# Altium PCB H19R1.PcbDoc
Units mm, origin at the board's own origin, x right, y up, seen from the top; angles counter-clockwise.
Board outline 60 x 34.64 mm, 4 copper layers (Top Layer, GND, GND2, Bottom Layer), stack 0.603 mm thick; 80 components, 78 nets, 214 pads, 66 vias.
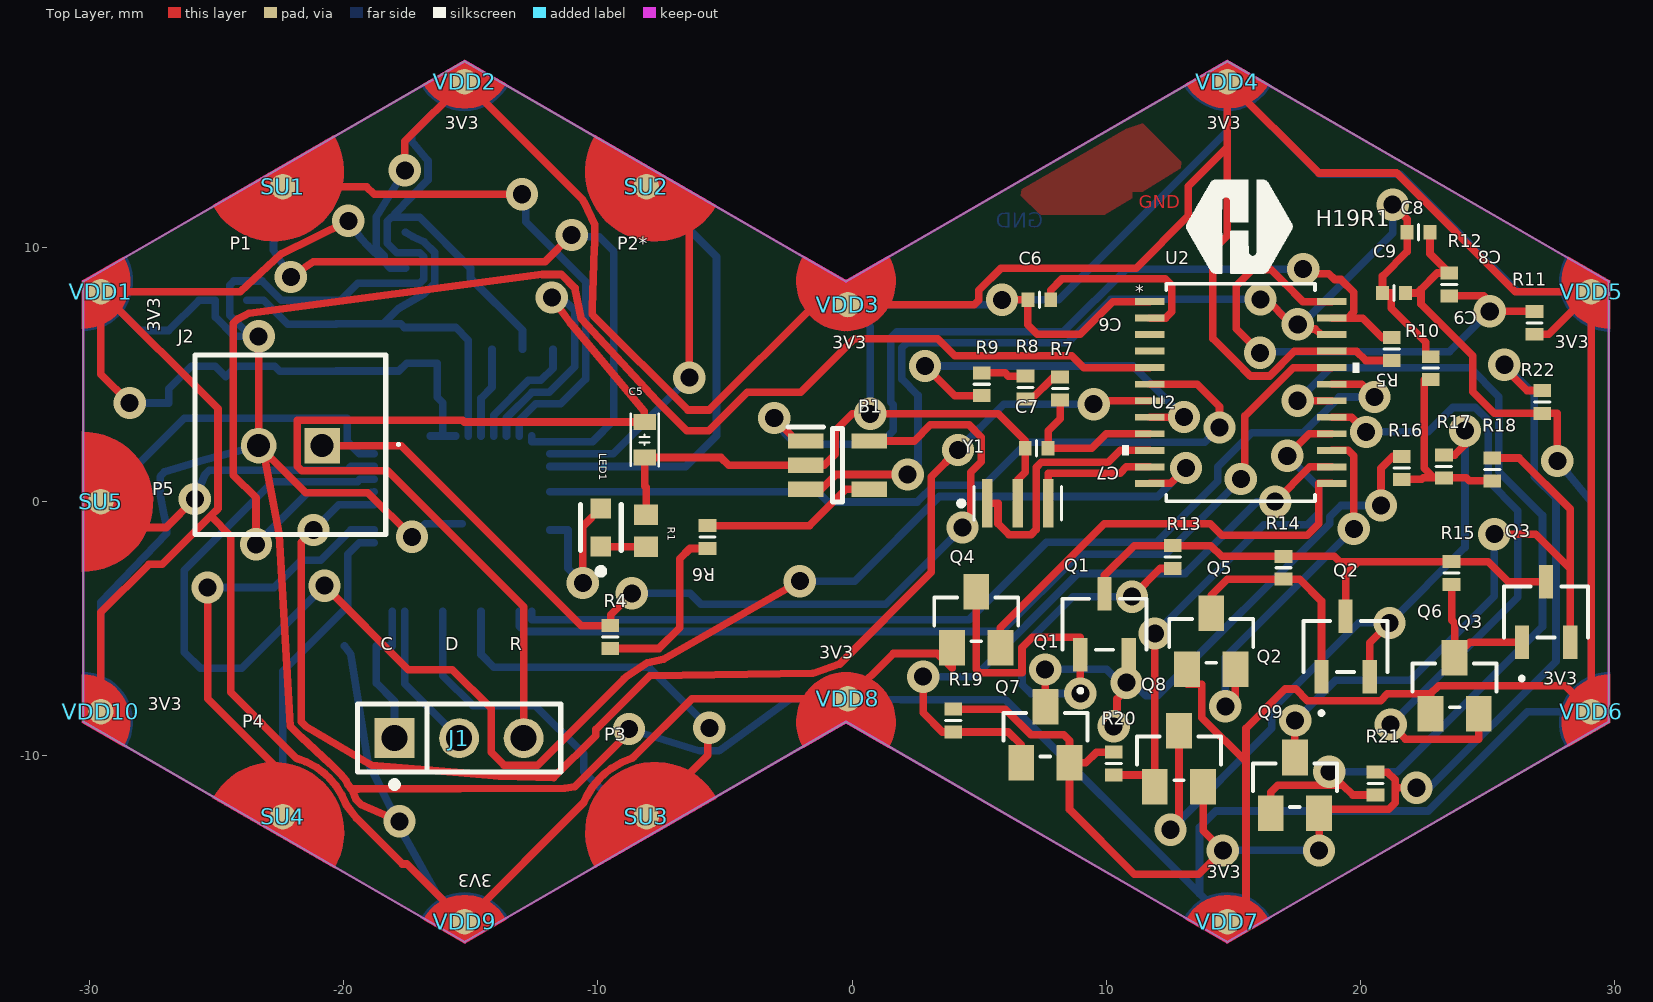
[diagram p0: Top Layer view]
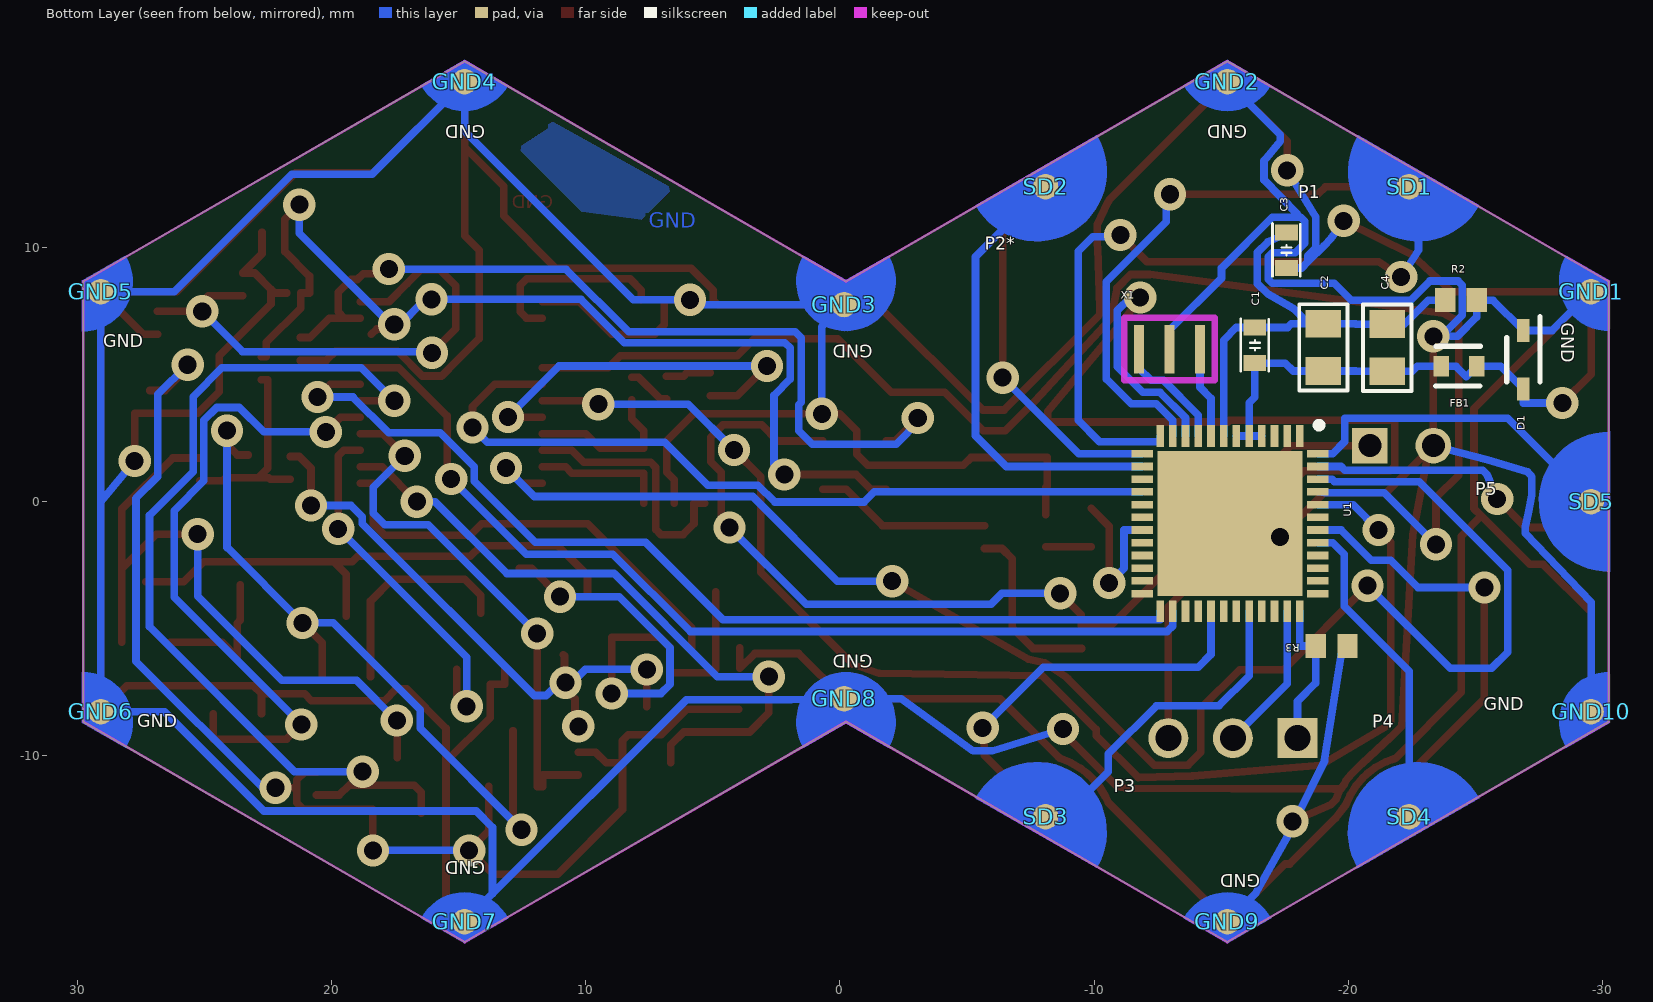
[diagram p1: Bottom Layer view, seen from below]
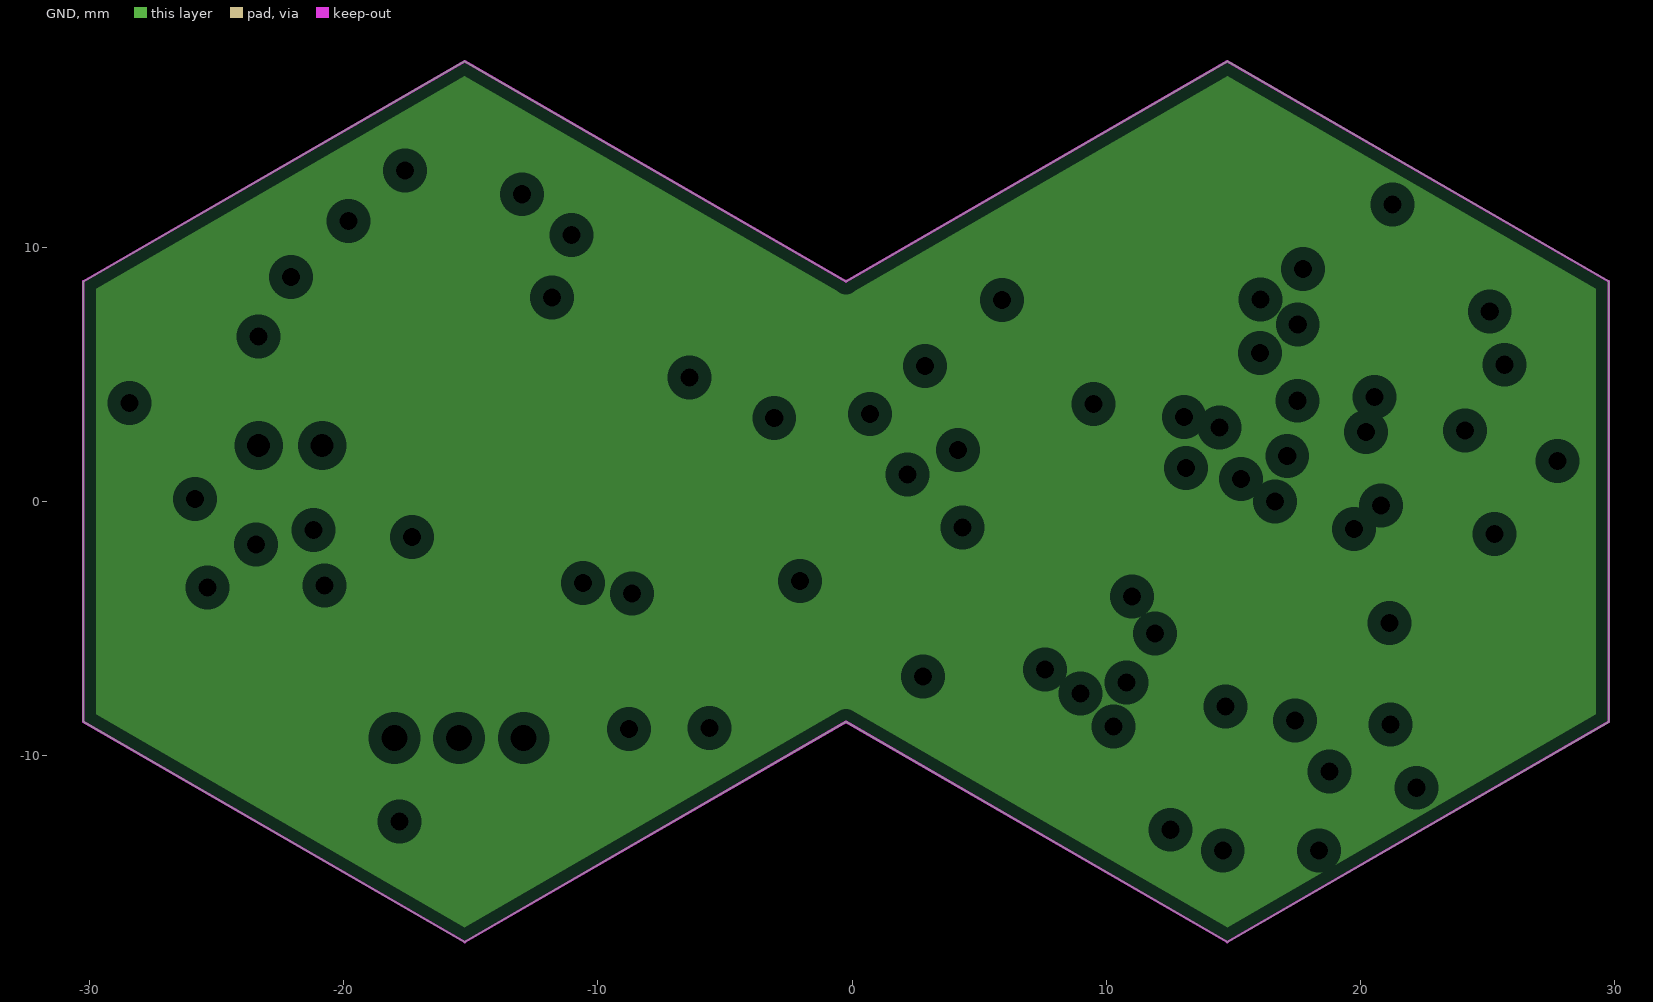
[diagram p2: GND, clearances drawn from the general rule]
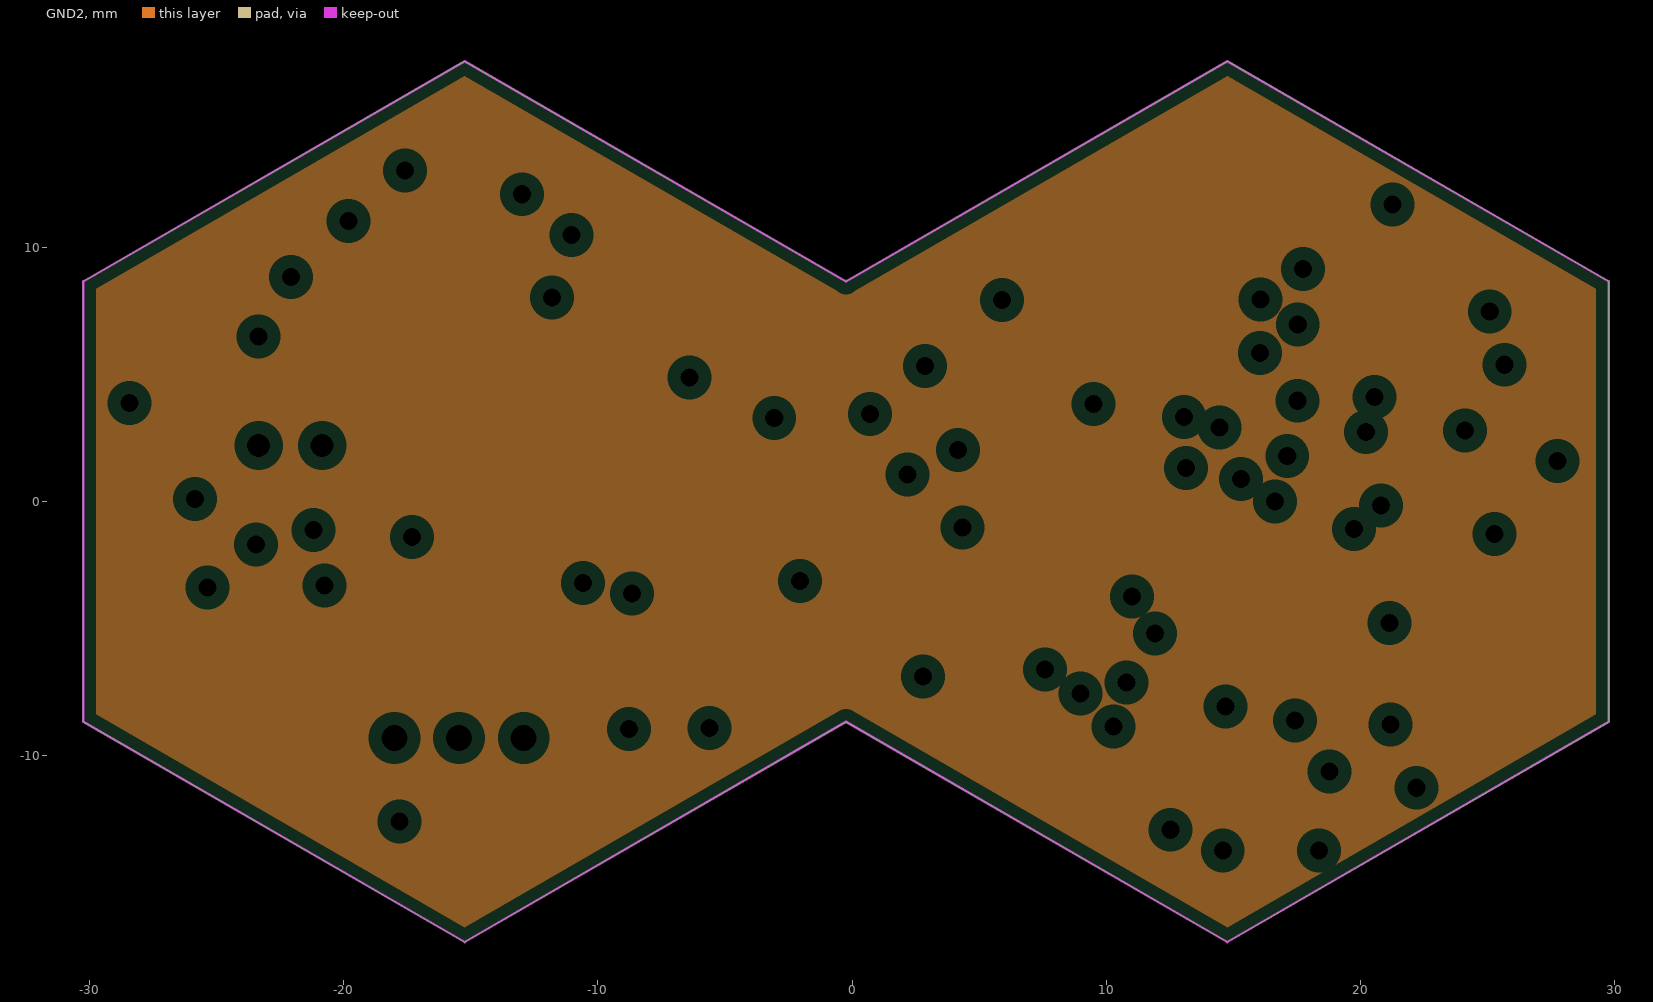
[diagram p3: GND2, clearances drawn from the general rule]
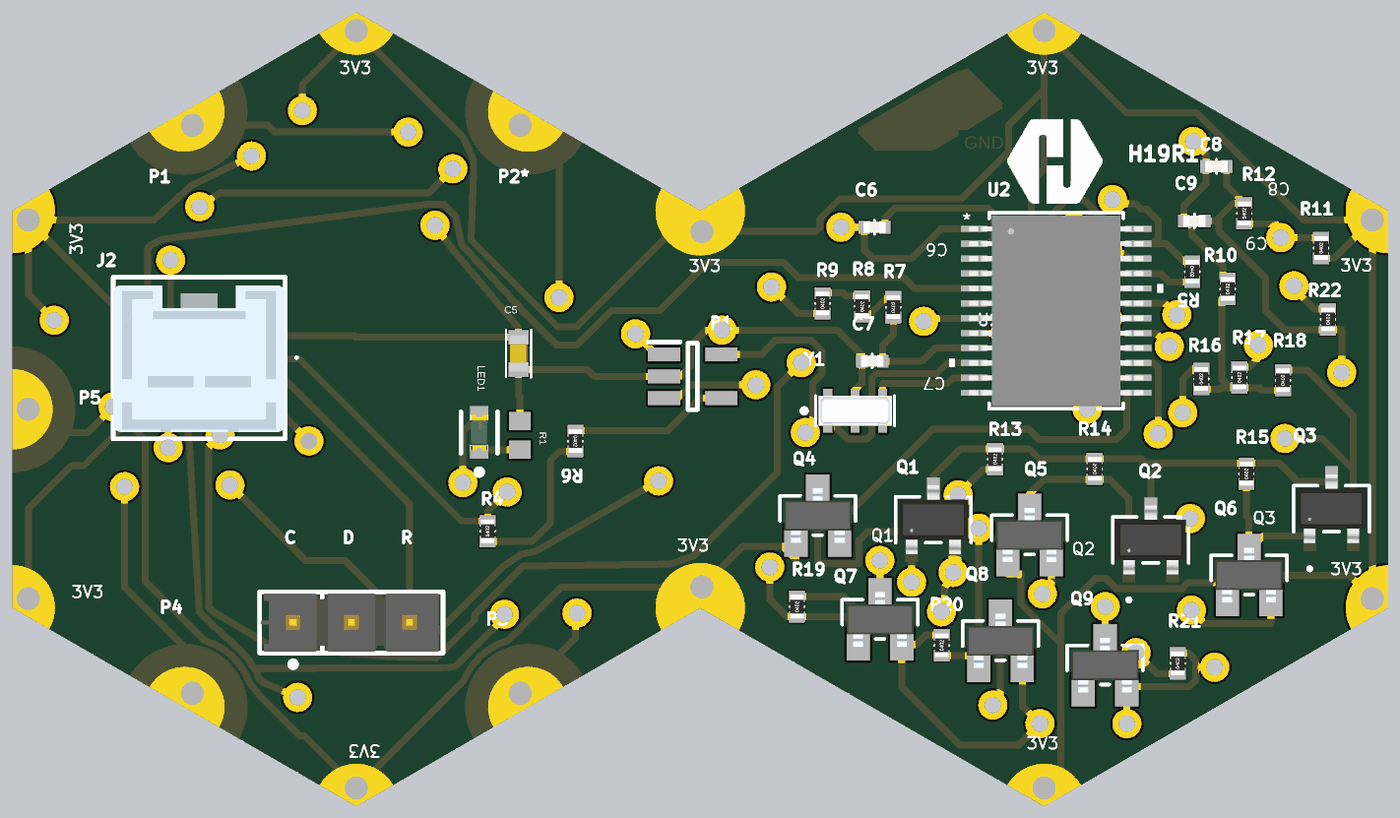
[diagram p4: 3D render of the assembled board from above, using the file's embedded part models]
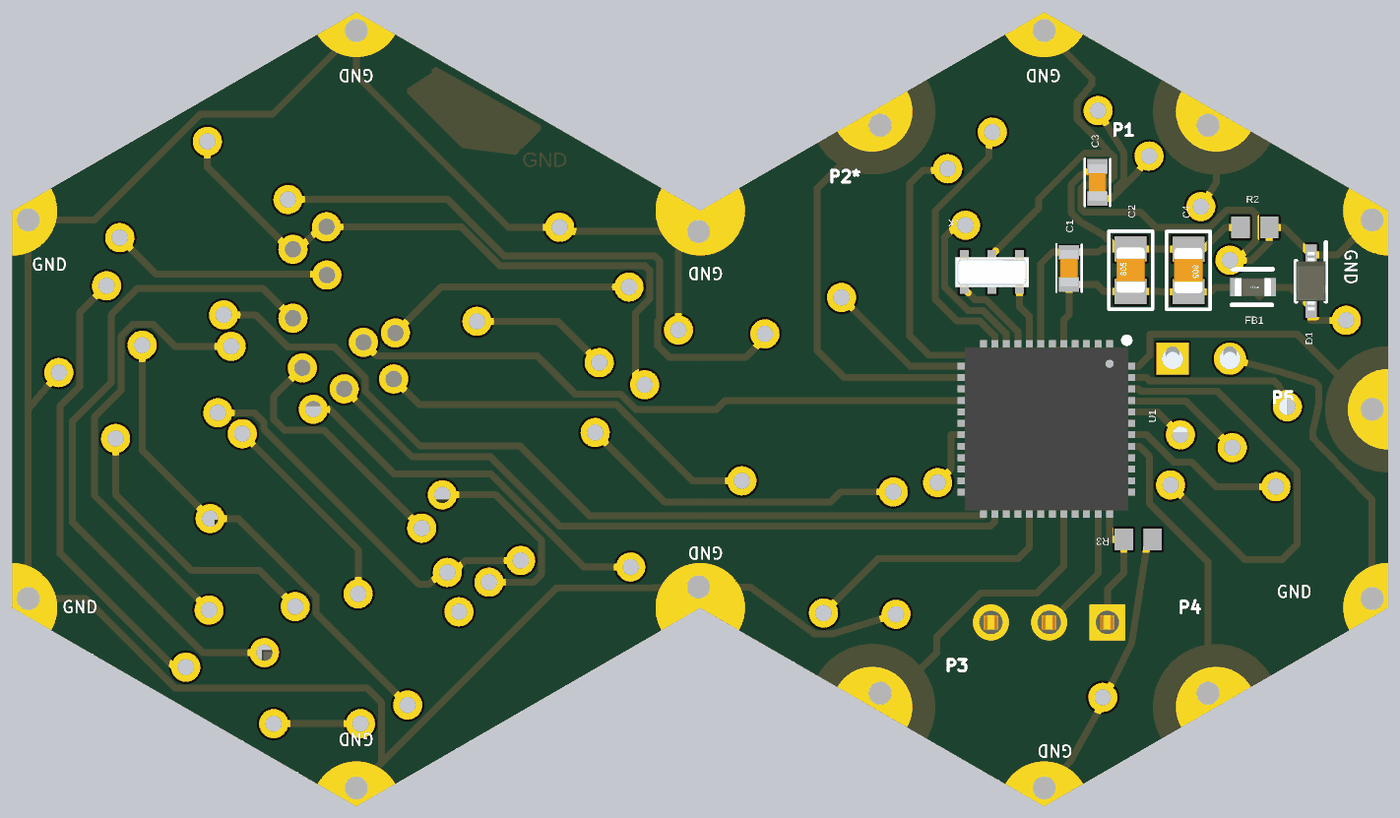
[diagram p5: 3D render of the assembled board from below, using the file's embedded part models]

## Layer stack, top to bottom
Top Solder: solder mask 0.0102, Solder Resist, Dk 3.5
Top Layer: signal copper 0.0356
Dielectric 2: prepreg 0.0711, PP-006, Dk 4.1
GND: plane copper 0.035
Dielectric 1: dielectric 0.32, FR-4, Dk 4.8
GND2: plane copper 0.035
Dielectric 3: prepreg 0.0711, PP-006, Dk 4.1
Bottom Layer: signal copper 0.0356
Bottom Solder: solder mask 0.0102, Solder Resist, Dk 3.5

## Board outline
-30.24,-8.66 -15.24,-17.32 -0.24,-8.66 14.76,-17.32 29.76,-8.66 29.76,8.66 14.76,17.32 -0.24,8.66 -15.24,17.32 -30.24,8.66

## Design rules (kind name [scope] priority, off if disabled: settings)
Clearance [All] p1: gap=0.125 ignorepadtopadclearanceinfootprint=FALSE
ComponentClearance [All] p1: gap=0.125 collisioncheckmode=3 verticalgap=0.125 showdistances=FALSE
HoleToHoleClearance [All] p1: gap=0.125 allowstackedmicrovias=TRUE
MinimumSolderMaskSliver [All] p1: minsoldermaskwidth=0.1
PlaneClearance [All] p1: clearance=0.508
PlaneConnect [All] p1: planeconnectstyle=Relief reliefexpansion=0.508 reliefentries=4 reliefconductorwidth=0.254 reliefairgap=0.254
PolygonConnect [All] p1: connectstyle=Relief reliefconductorwidth=0.254 reliefentries=4 polygonreliefangle="90 Angle" airgapwidth=0.254
RoutingVias [All] p1: holewidth=0.711 width=1.27 viastyle="Through Hole" minholewidth=0.711 minwidth=1.27 maxholewidth=0.711 maxwidth=1.27
SilkToSolderMaskClearance [IsPad] p1: minsilkscreentomaskgap=0.125 clearancetoexposedcopper=TRUE
SolderMaskExpansion [All] p1: expansion=0.102 istentingtop=FALSE
SupplyNets "Schematic Supply Nets_3" [InNet('GND')] p1: voltage=0.000
SupplyNets "Schematic Supply Nets_1" [InNet('VSSA')] p2: voltage=0.000
SupplyNets "Schematic Supply Nets" [InNet('VDD')] p3: voltage=0.000
Width [All] p1: maxlimit=1 minlimit=0.2 preferedwidth=0.3 minimp=50.000000 maximp=50.000000 favimp=50.000000
24 further rules are at their usual default settings.

## Classes and differential pairs
component class "H19R1_Frontend 2": Q1 Q2 Q3 Q4 Q5 Q6 Q7 Q8 Q9 R13 R14 R15 R16 R17 R18 R19 R20 R21 R22
component class "H19R1_Frontend 1": B1 C6 C7 C8 C9 J2 R4 R5 R6 R7 R8 R9 R10 R11 R12 U2 Y1
component class H19R1_Backend: C1 C2 C3 C4 C5 D1 FB1 GND1 GND2 GND3 GND4 GND5 GND6 GND7 GND8 GND9 GND10 J1 LED1 R1 R2 R3 SD1 SD2 SD3 SD4 SD5 SU1 SU2 SU3 SU4 SU5 U1 VDD1 VDD2 VDD3 VDD4 VDD5 VDD6 VDD7 VDD8 VDD9 VDD10 X1

## Components (designator, comment, footprint, x,y, rotation, side; value= is the part's Value field where it differs from the comment)
B1 "MCP6561T-E_OT" SOT95P270X145-5N -0.57,1.434 r0 top
C1 "CL10B104KA8NNNC" C0603 -16.324,6.151 r270 bottom value=100nF
C2 "CL21X475KAQNNNE" C0805 -19.015,6.067 r90 bottom value=4.7µF
C3 "CL10B104KA8NNNC" C0603 -17.565,9.891 r270 bottom value=100nF
C4 "CC0805KKX7R7BB105" C0805 -21.53,6.056 r270 bottom value=1µF
C5 "CL10B104KA8NNNC" C0603 -8.163,2.436 r90 top value=100nF
C6 "470nF" C0402 7.363,7.937 r0 top
C7 "CL05A105KA5NQNC" C0402 7.26,2.103 r0 top value=1uF
C8 "CC0402JRNPO9BN100" C0402 22.279,10.595 r0 top value=10pF
C9 "CC0402JRNPO9BN100" C0402 21.313,8.209 r0 top value=10pF
D1 "CDSOD323-T03SC" SOD2513X114N -26.879,5.585 r270 bottom value=200pF
FB1 "MMZ1608Y300B" FP-MMZ1608-0_8-MFG -24.35,5.324 r0 bottom
GND1 "HEXABIT_UART_PORT" HEXABIT_POWER_PORT_D -29.547,8.26 r90 top
GND2 "HEXABIT_UART_PORT" HEXABIT_POWER_PORT_D -15.24,16.52 r30 top
GND3 "HEXABIT_UART_PORT" HEXABIT_POWER_PORT_D_300R -0.168,7.752 r90 top
GND4 "HEXABIT_UART_PORT" HEXABIT_POWER_PORT_D 14.76,16.52 r30 top
GND5 "HEXABIT_UART_PORT" HEXABIT_POWER_PORT_D 29.07,8.26 r330 top
GND6 "HEXABIT_UART_PORT" HEXABIT_POWER_PORT_D 29.07,-8.26 r270 top
GND7 "HEXABIT_UART_PORT" HEXABIT_POWER_PORT_D 14.76,-16.52 r210 top
GND8 "HEXABIT_UART_PORT" HEXABIT_POWER_PORT_D_300L -0.168,-7.752 r90 top
GND9 "HEXABIT_UART_PORT" HEXABIT_POWER_PORT_D -15.24,-16.52 r210 top
GND10 "HEXABIT_UART_PORT" HEXABIT_POWER_PORT_D -29.547,-8.26 r150 top
J1 "TSW-103-14-G-S" FP-TSW-103-14-G-S-MFG -15.458,-9.3 r0 top
J2 "1744439-2" 17444392 -20.842,2.205 r0 top
LED1 "VLMS1300-GS08" FP-6_541-5092_01-4-MFG -9.881,-1.016 r90 top
Q1 "2STR2160" SOT23_3P04X1P75X1P9_STM 9.927,-4.823 r0 top
Q2 "2STR2160" SOT23_3P04X1P75X1P9_STM 19.41,-5.699 r0 top
Q3 "2STR2160" SOT23_3P04X1P75X1P9_STM 27.292,-4.34 r0 top
Q4 "MMBTA05LT1G" SOT-23 4.884,-4.638 r0 top
Q5 "MMBTA05LT1G" SOT-23 14.125,-5.484 r0 top
Q6 "MMBTA05LT1G" SOT-23 23.698,-7.236 r0 top
Q7 "MMBTA05LT1G" SOT-23 7.602,-9.168 r0 top
Q8 "MMBTA05LT1G" SOT-23 12.857,-10.105 r0 top
Q9 "MMBTA05LT1G" SOT-23 17.417,-11.162 r0 top
R1 "Manufacturer Part Number" R0603 -8.103,-1.143 r270 top value=270Ω
R2 "Manufacturer Part Number" R0603 -24.429,7.928 r0 bottom
R3 "Manufacturer Part Number" R0603 -19.341,-5.678 r180 bottom value=10kΩ
R4 "ERJ-2RKF1003X" R0402_3 -9.513,-5.324 r90 top value=100K
R5 "RC0402FR-0710KL" R0402_3 21.222,6.005 r270 top value=10K
R6 "ERJ-2RKF1003X" R0402_3 -5.686,-1.391 r270 top value=100K
R7 "ERJ-2RKF1003X" R0402_3 8.181,4.449 r90 top value=100K
R8 "ERJ-2RKF1003X" R0402_3 6.818,4.489 r90 top value=100K
R9 "RMCF0402FT20K0" R0402_3 5.095,4.618 r90 top value=20K
R10 "RC0402FR-071KL" R0402_3 22.762,5.25 r90 top value=1K
R11 "RMCF0402FT20K0" R0402_3 26.839,7.034 r90 top value=20K
R12 "RMCF0402FT20K0" R0402_3 23.487,8.544 r90 top value=20K
R13 "RC0402FR-071KL" R0402_3 12.615,-2.177 r90 top value=1K
R14 "RC0402FR-071KL" R0402_3 16.964,-2.599 r90 top value=1K
R15 "RC0402FR-071KL" R0402_3 23.578,-2.811 r90 top value=1K
R16 "ERJ-2RKF1003X" R0402_3 21.615,1.327 r90 top value=100K
R17 "ERJ-2RKF1003X" R0402_3 23.276,1.387 r90 top value=100K
R18 "ERJ-2RKF1003X" R0402_3 25.178,1.266 r90 top value=100K
R19 "RC0402FR-071KL" R0402_3 3.978,-8.609 r90 top value=1K
R20 "RC0402FR-071KL" R0402_3 10.29,-10.301 r90 top value=1K
R21 "RC0402FR-071KL" R0402_3 20.588,-11.086 r90 top value=1K
R22 "RC0402FR-071KL" R0402_3 27.141,3.924 r90 top value=1K
SD1 "HEXABIT_UART_PORT" HEXABIT_UART_PORT_D -22.39,12.39 r90 top
SD2 "HEXABIT_UART_PORT" HEXABIT_UART_PORT_D -8.09,12.39 r30 top
SD3 "HEXABIT_UART_PORT" HEXABIT_UART_PORT_D -8.09,-12.39 r270 top (schematic designator SD4)
SD4 "HEXABIT_UART_PORT" HEXABIT_UART_PORT_D -22.39,-12.39 r210 top
SD5 "HEXABIT_UART_PORT" HEXABIT_UART_PORT_D -29.55,0 r150 top
SU1 "HEXABIT_UART_PORT" HEXABIT_UART_PORT_U -22.39,12.39 r90 top
SU2 "HEXABIT_UART_PORT" HEXABIT_UART_PORT_U -8.09,12.39 r30 top
SU3 "HEXABIT_UART_PORT" HEXABIT_UART_PORT_U -8.09,-12.39 r270 top (schematic designator SU4)
SU4 "HEXABIT_UART_PORT" HEXABIT_UART_PORT_U -22.39,-12.39 r210 top
SU5 "HEXABIT_UART_PORT" HEXABIT_UART_PORT_U -29.55,0 r150 top
U1 "STM32G0B1CEU6" QFN50P700X700X65-49N-D -15.344,-0.866 r270 bottom
U2 "TB6575FNG,C,8,EL" SSOP24-P-300-0p65A_TOS 15.284,4.295 r0 top
VDD1 "HEXABIT_UART_PORT" HEXABIT_POWER_PORT_U -29.547,8.26 r150 top
VDD2 "HEXABIT_UART_PORT" HEXABIT_POWER_PORT_U -15.24,16.52 r90 top
VDD3 "HEXABIT_UART_PORT" HEXABIT_POWER_PORT_U_300R -0.168,7.752 r90 top
VDD4 "HEXABIT_UART_PORT" HEXABIT_POWER_PORT_U 14.76,16.52 r90 top
VDD5 "HEXABIT_UART_PORT" HEXABIT_POWER_PORT_U 29.07,8.26 r30 top
VDD6 "HEXABIT_UART_PORT" HEXABIT_POWER_PORT_U 29.07,-8.26 r330 top
VDD7 "HEXABIT_UART_PORT" HEXABIT_POWER_PORT_U 14.76,-16.52 r270 top
VDD8 "HEXABIT_UART_PORT" HEXABIT_POWER_PORT_U_300L -0.168,-7.752 r90 top
VDD9 "HEXABIT_UART_PORT" HEXABIT_POWER_PORT_U -15.24,-16.52 r270 top
VDD10 "HEXABIT_UART_PORT" HEXABIT_POWER_PORT_U -29.547,-8.26 r210 top
X1 "CSTCE8M00G52Z-R0" XTALL_CSTCE8M00G52 -12.963,5.994 r90 bottom value=10pF
Y1 "CSTNE19M2VH3L000R0" OSC_CSTNE19M2VH3L000R0 6.515,-0.066 r0 top

## Footprints (in the part's own frame and the unit in brackets; to place one, negate y for a bottom-side part, rotate by r counter-clockwise, add the part's x,y. Pads: shape width x height; smd on the part's side, far side on the other; paste and mask are expansions set on the pad)
17444392 [mm]
  round 1.4 hole 0.9: 1(-2.5,0)
  rect 1.4x1.4 hole 0.9: 2(0,0)
  silkscreen extent -5,-3.5 3.05,3.56, body extent -5,-3.2 2.5,3.2, height 8.73
C0402 [mm]
  rect 0.51x0.56 smd mask+0.05: 1(-0.45,0) 2(0.45,0)
  silkscreen extent 0,-0.3 0,0.3, body extent -0.5,-0.3 0.5,0.3, height 0.4
C0603 [mm]
  rect 0.64x0.89 smd mask+0.05: 1(-0.7,0) 2(0.7,0)
  silkscreen extent -1.05,-0.55 1.03,0.55, body extent -0.9,-0.5 0.9,0.5, height 1.4
C0805 [mil]
  rect 43x55 smd: 1(-36.5,0) 2(36.5,0)
  silkscreen extent -67,-37 67,37, body extent -39,-24 40,25, height 31
FP-6_541-5092_01-4-MFG [mm]
  rect 0.8x0.8 smd paste+0 mask+0: 1(-0.75,0) 2(0.75,0)
  silkscreen extent -1.85,-0.8 0.9,0.8, body extent -1.25,-0.6 1.25,0.6, height 0.25
FP-MMZ1608-0_8-MFG [mm]
  rect 0.6x0.8 smd paste+0 mask+0: 1(-0.7,0) 2(0.7,0)
  silkscreen extent -0.85,-0.79 0.93,0.78, body extent -0.8,-0.4 0.8,0.4, height 0.95
FP-TSW-103-14-G-S-MFG [mm]
  rect 1.57x1.57 hole 1.02 paste-2539.97 mask+0: 1(-2.54,0)
  round 1.57 hole 1.02 paste-2539.97 mask+0: 2(0,0) 3(2.54,0)
  silkscreen extent -4,-1.95 4,1.33, body extent -4.1,-1.44 4.1,1.44, height 0.25
HEXABIT_POWER_PORT_D [mm]
  rrect100% 1x1 smd far side paste+0: Pwr_D(0,0)
  Bottom Layer region: 1.418,-0.978 0.633,-1.25 -0.194,-1.171 -0.914,-0.754 -1.394,-0.076 -1.549,0.74 -1.549,0.74 0.429,0.74
HEXABIT_POWER_PORT_D_300L [mm]
  rrect100% 1x1 smd far side paste+0: Pwr_D(0,0)
  Bottom Layer region: 1.041,0.022 0.886,0.838 0.406,1.516 -0.314,1.933 -1.141,2.012 -1.926,1.74 -1.926,1.74 -0.937,0.022
  Bottom Layer region: 1.041,0.122 0.886,-0.694 0.406,-1.372 -0.314,-1.788 -1.141,-1.868 -1.926,-1.596 -1.926,-1.596 -0.937,0.122
HEXABIT_POWER_PORT_D_300R [mm]
  rrect100% 1x1 smd far side paste+0: Pwr_D(0,0)
  Bottom Layer region: 1.926,-1.596 1.141,-1.868 0.314,-1.788 -0.406,-1.372 -0.886,-0.694 -1.041,0.122 -1.041,0.122 0.937,0.122
  Bottom Layer region: -1.041,0.022 -0.886,0.838 -0.406,1.516 0.314,1.933 1.141,2.012 1.926,1.74 1.926,1.74 0.937,0.022
HEXABIT_POWER_PORT_U [mm]
  rrect100% 1x1 smd paste+0: Pwr_U(0,0)
  Top Layer region: -0.081,-1.631 -0.68,-1.115 -1.01,-0.395 -1.01,0.395 -0.68,1.115 -0.081,1.631 -0.081,1.631 0.858,0
HEXABIT_POWER_PORT_U_300L [mm]
  rrect100% 1x1 smd paste+0: Pwr_U(0,0)
  Top Layer region: 1.041,0.122 0.886,-0.694 0.406,-1.372 -0.314,-1.788 -1.141,-1.868 -1.926,-1.596 -1.926,-1.596 -0.937,0.122
  Top Layer region: 1.041,0.022 0.886,0.838 0.406,1.516 -0.314,1.933 -1.141,2.012 -1.926,1.74 -1.926,1.74 -0.937,0.022
HEXABIT_POWER_PORT_U_300R [mm]
  rrect100% 1x1 smd paste+0: Pwr_U(0,0)
  Top Layer region: 1.926,-1.596 1.141,-1.868 0.314,-1.788 -0.406,-1.372 -0.886,-0.694 -1.041,0.122 -1.041,0.122 0.937,0.122
  Top Layer region: -1.041,0.022 -0.886,0.838 -0.406,1.516 0.314,1.933 1.141,2.012 1.926,1.74 1.926,1.74 0.937,0.022
HEXABIT_UART_PORT_D [mm]
  rrect100% 1x1 smd far side paste+0: UART_D(0,0)
  Bottom Layer region: 2.018,-2.008 0.84,-2.391 -0.386,-2.219 -1.413,-1.526 -2.032,-0.453 -2.117,0.782 -1.653,1.93 -0.731,2.758 -0.731,2.758